# Altium PCB H204_.PcbDoc (part 1 of 4)
Units mm, origin at the board's own origin, x right, y up, seen from the top; angles counter-clockwise.
Board outline 40.7 x 64 mm, 4 copper layers (Top Layer, Signal Layer 1, Signal Layer 2, Bottom Layer), stack 1.594 mm thick; 231 components, 152 nets, 928 pads, 575 vias.
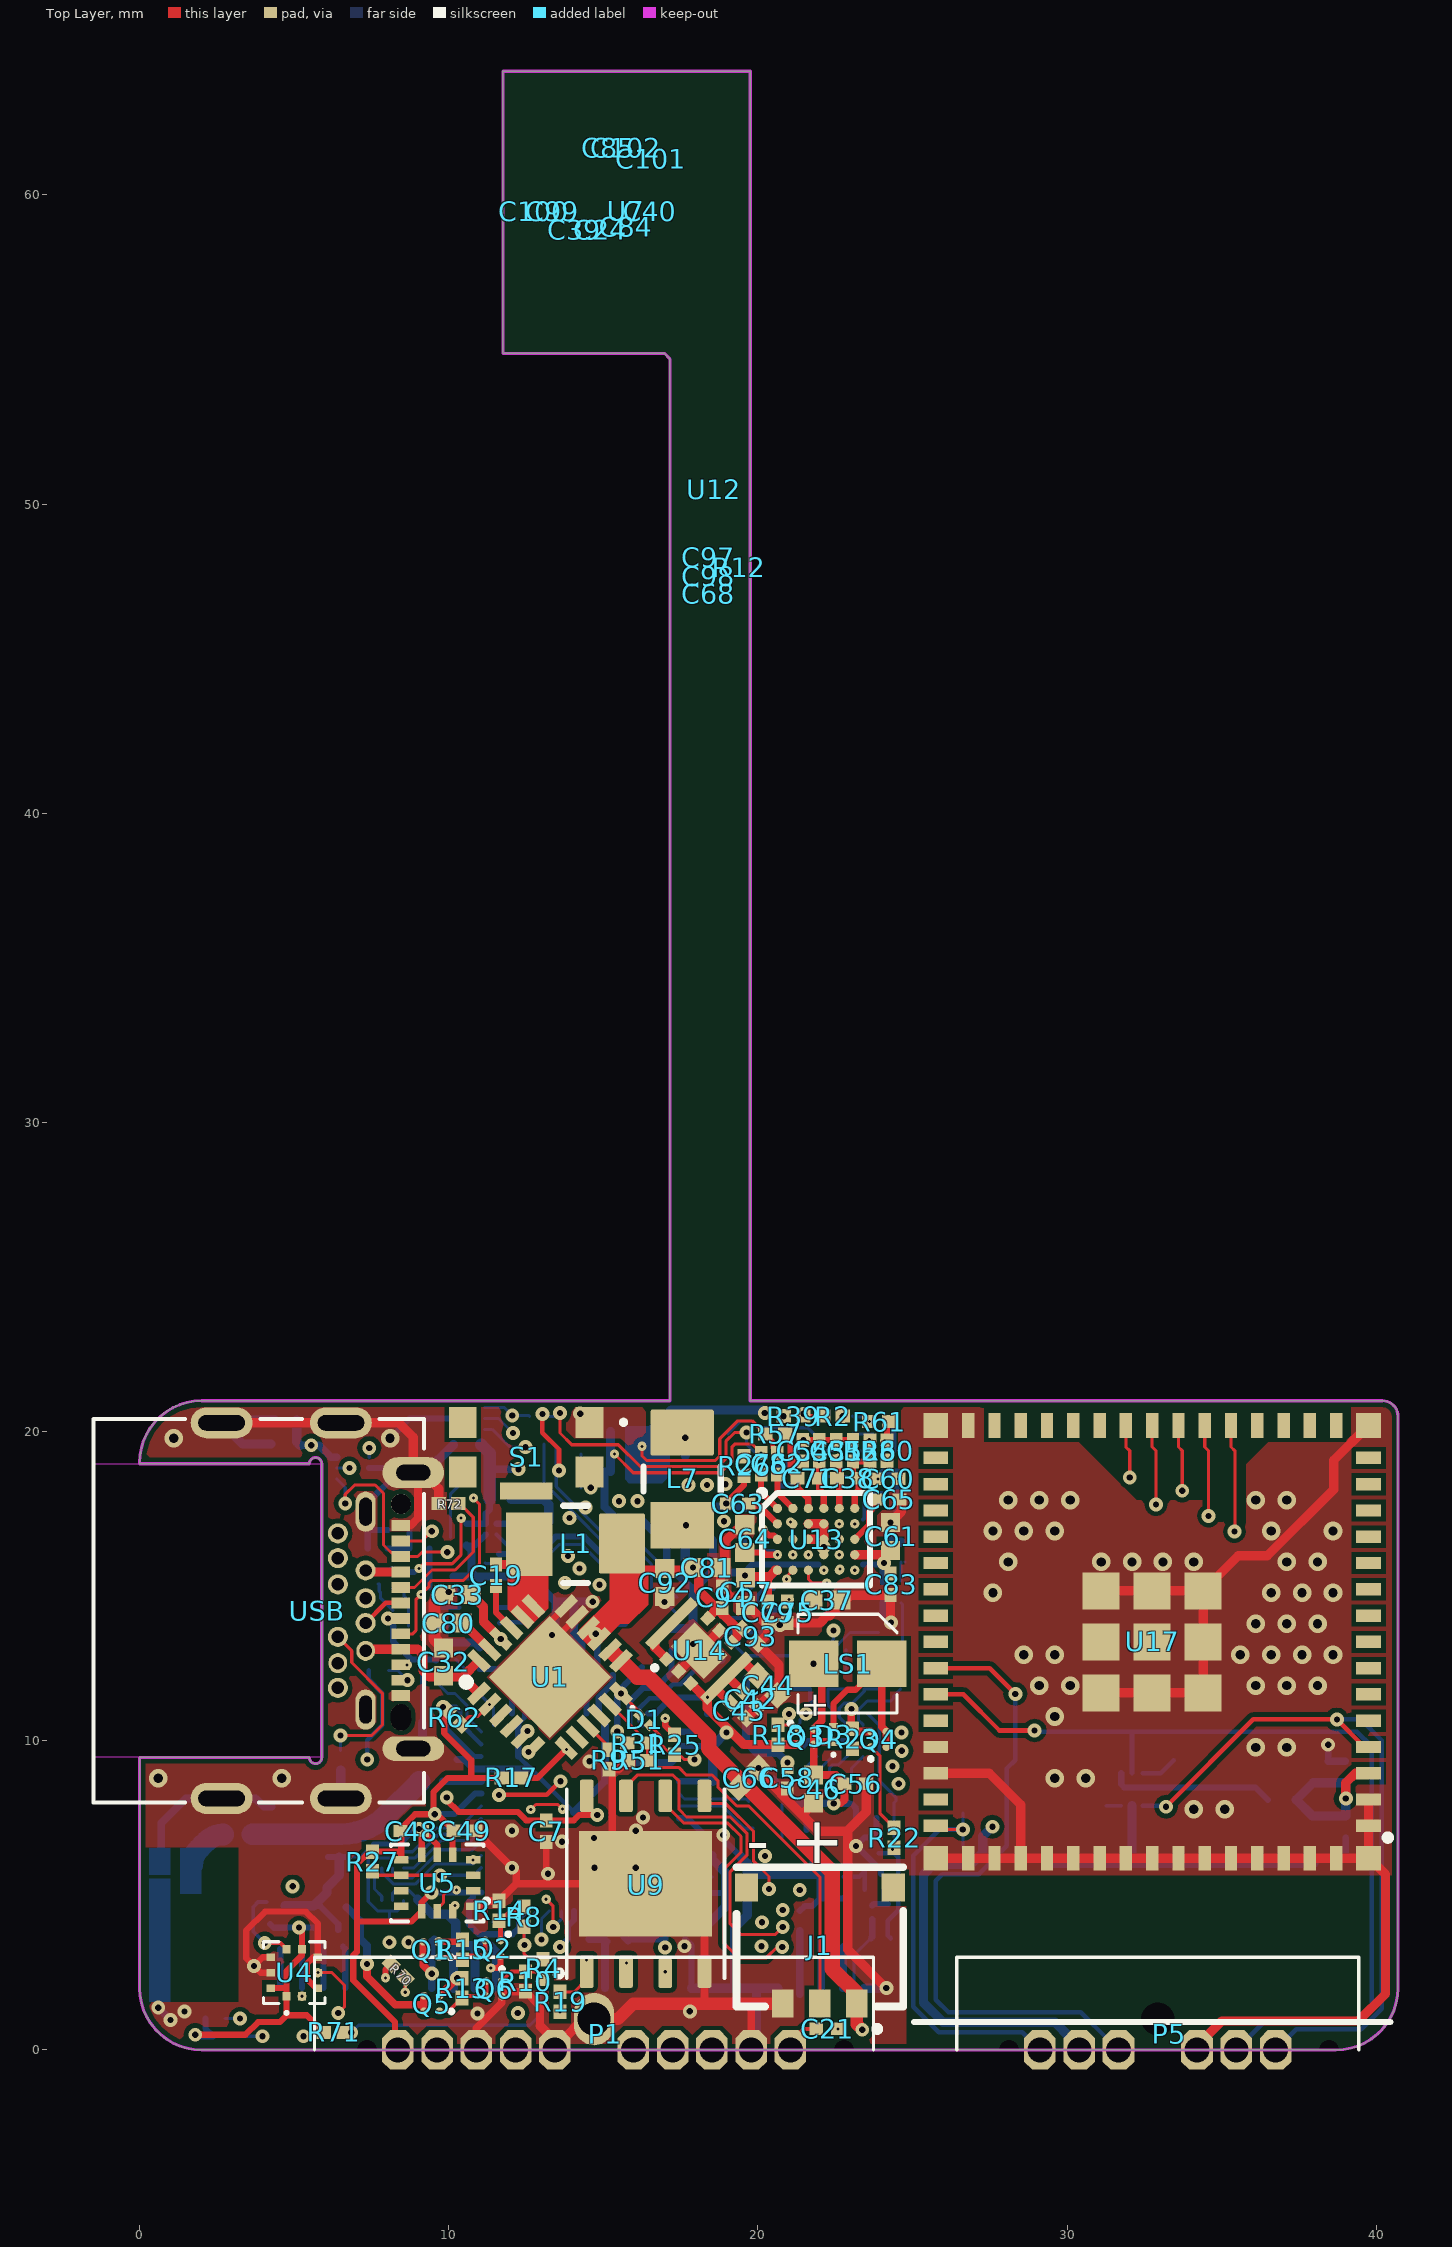
[diagram p0: Top Layer view]
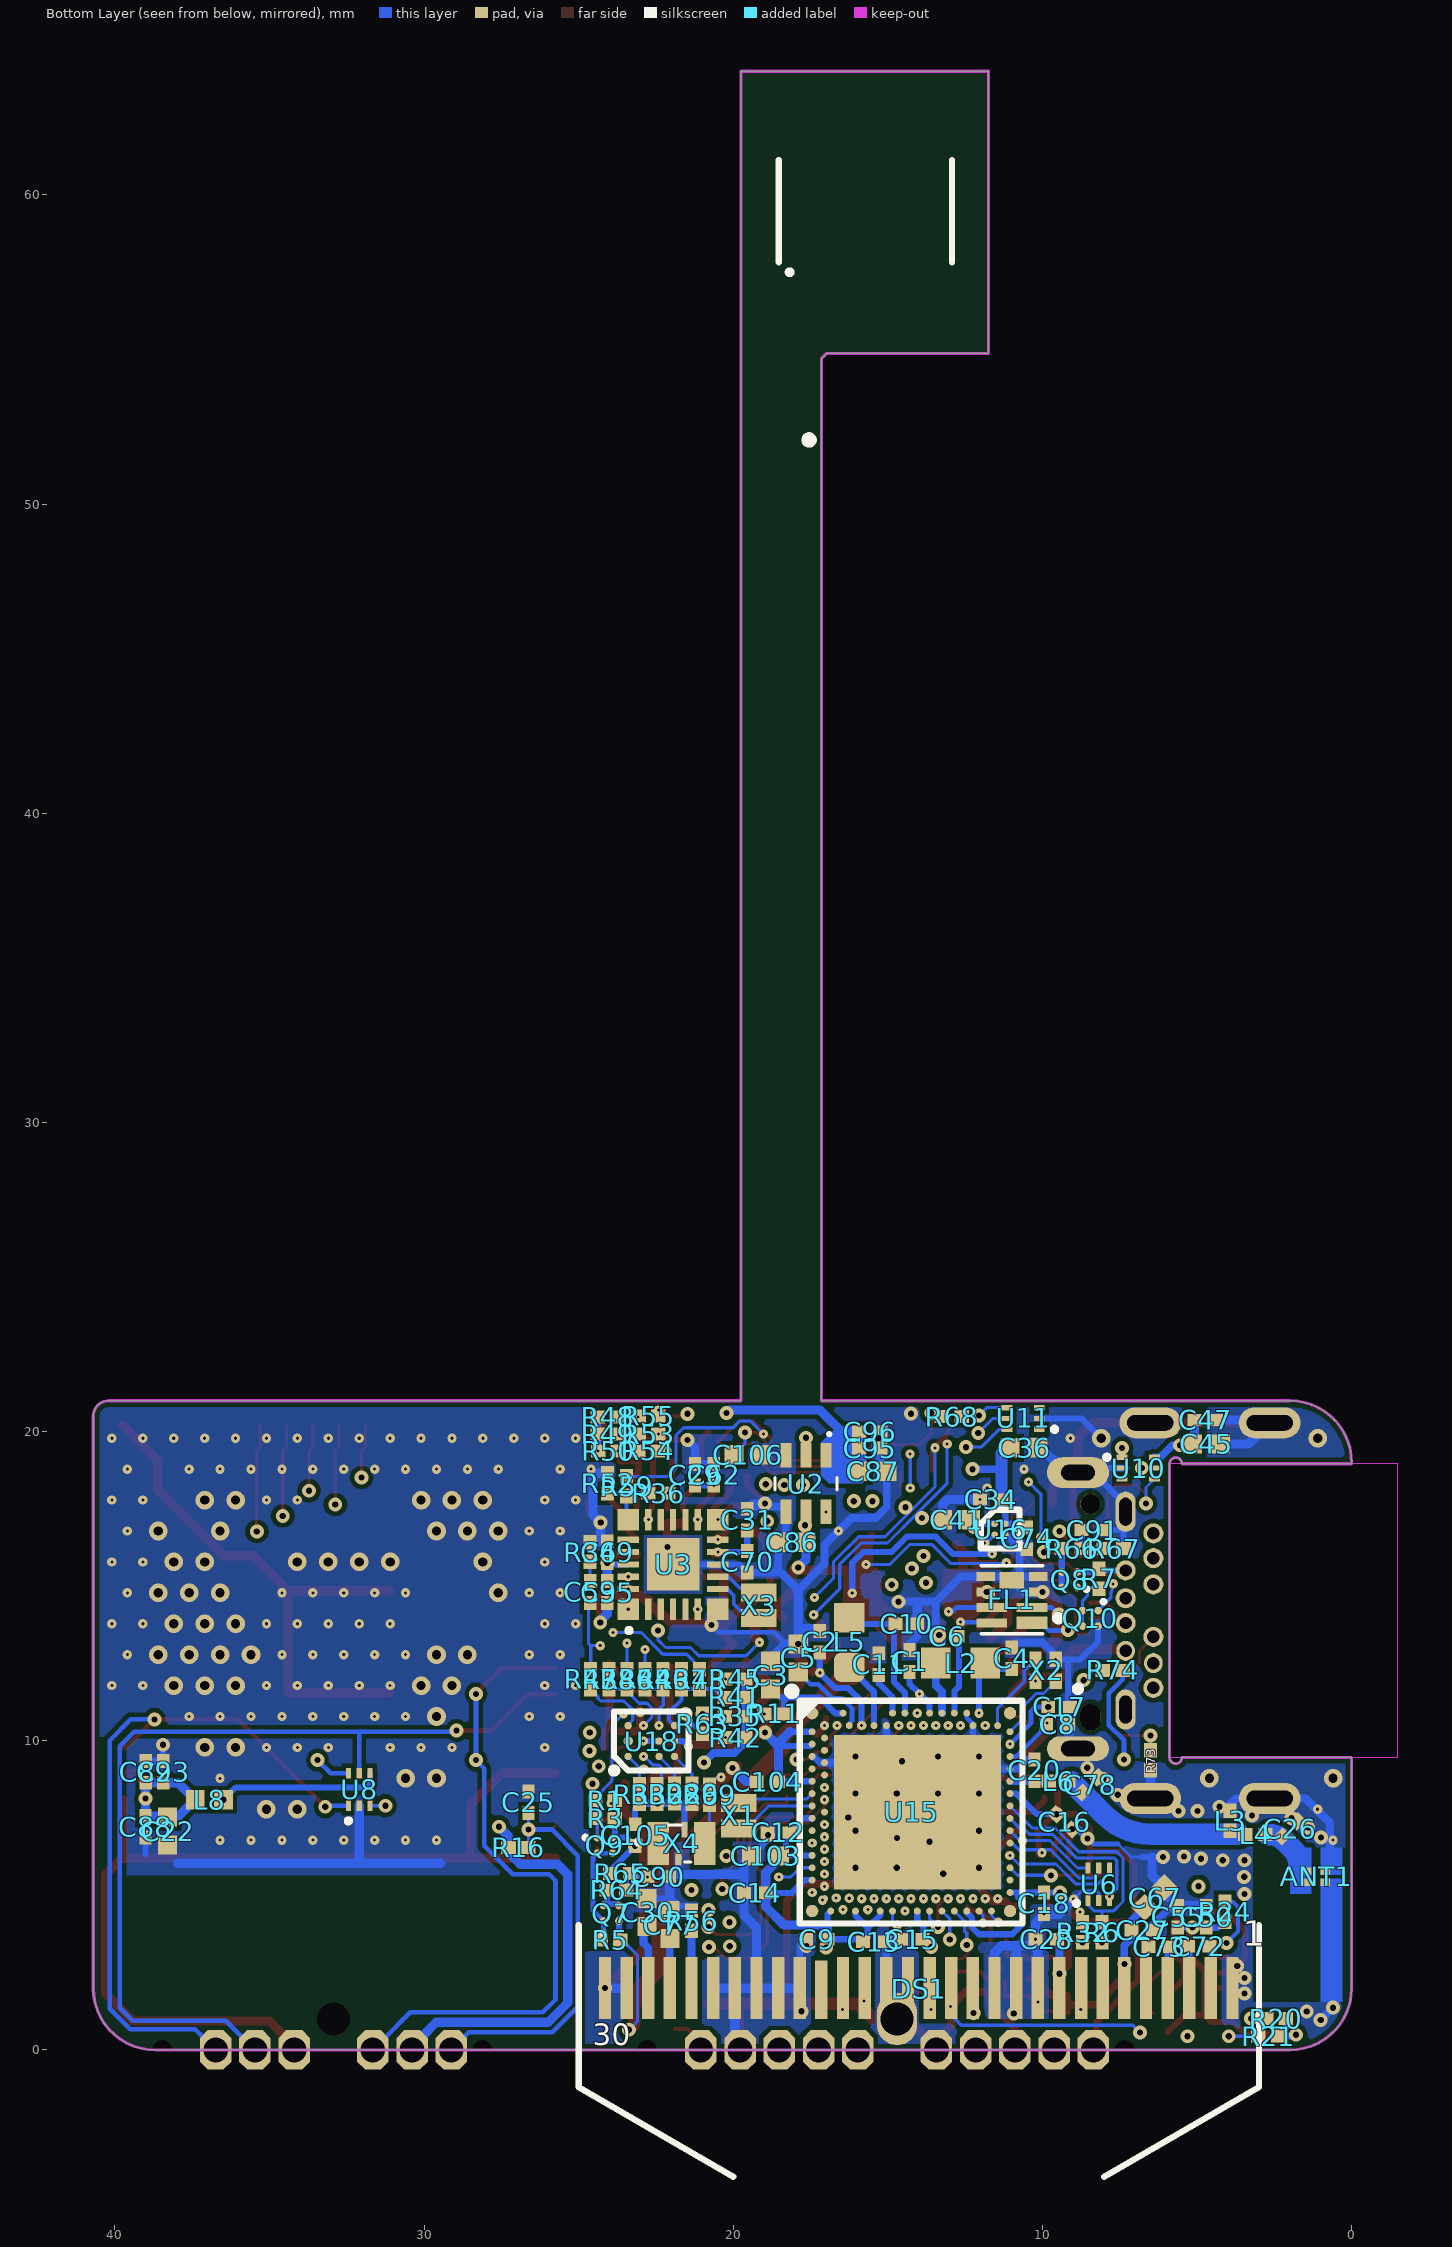
[diagram p1: Bottom Layer view, seen from below]
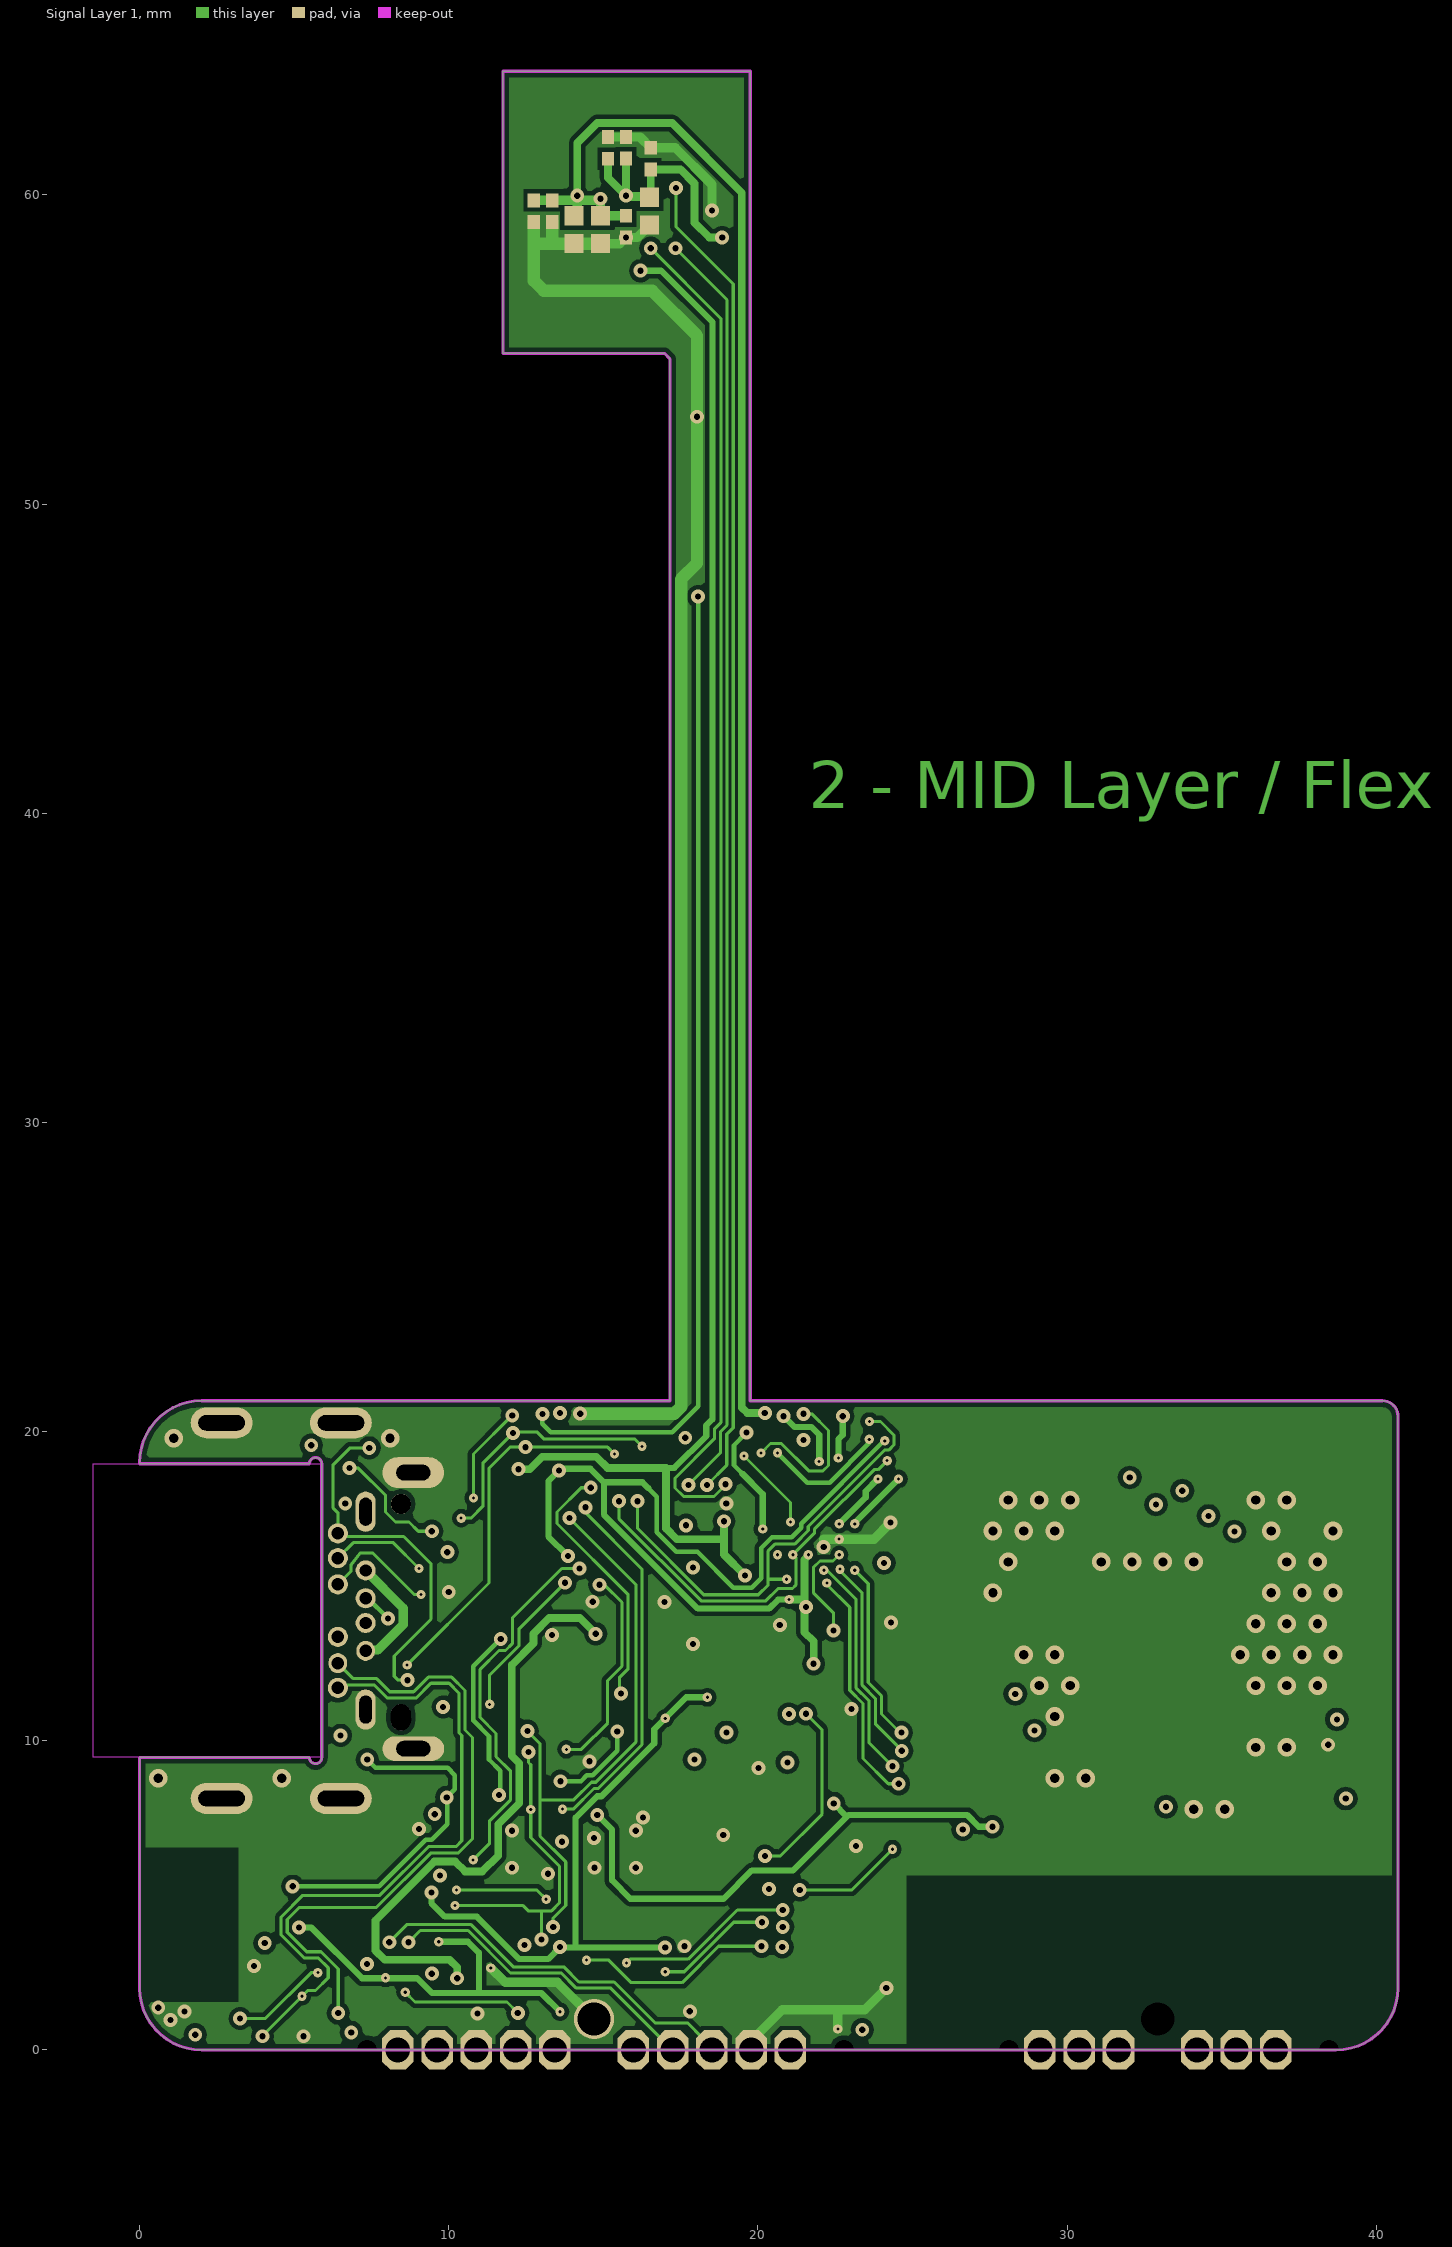
[diagram p2: Signal Layer 1]
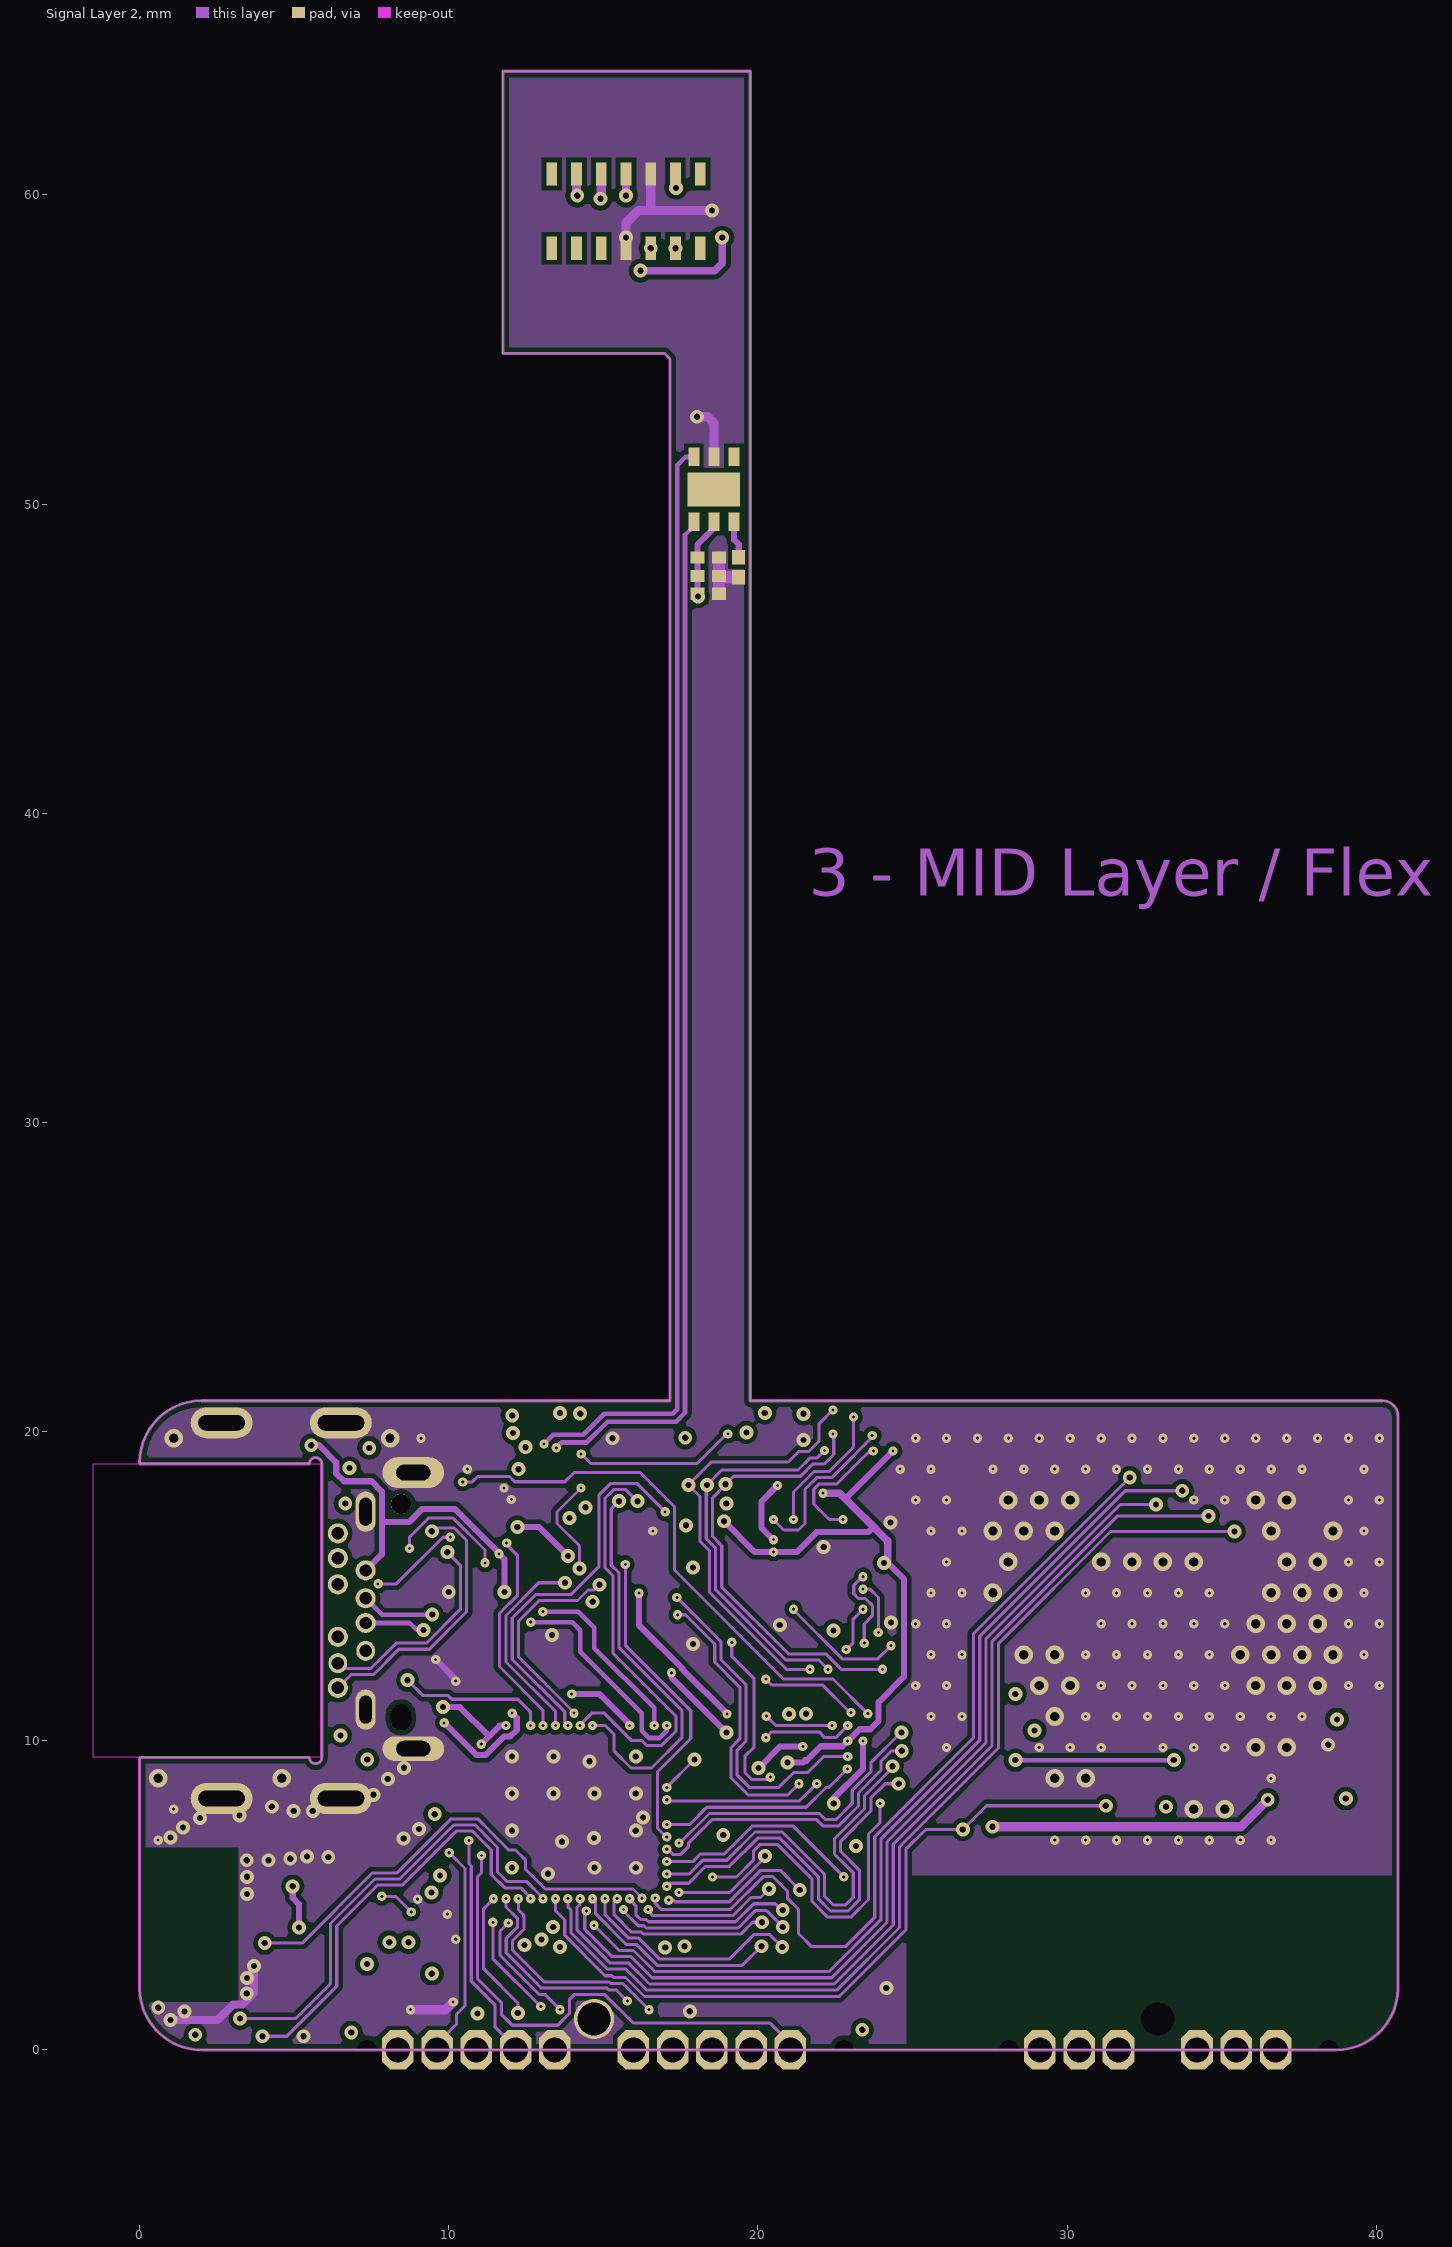
[diagram p3: Signal Layer 2]
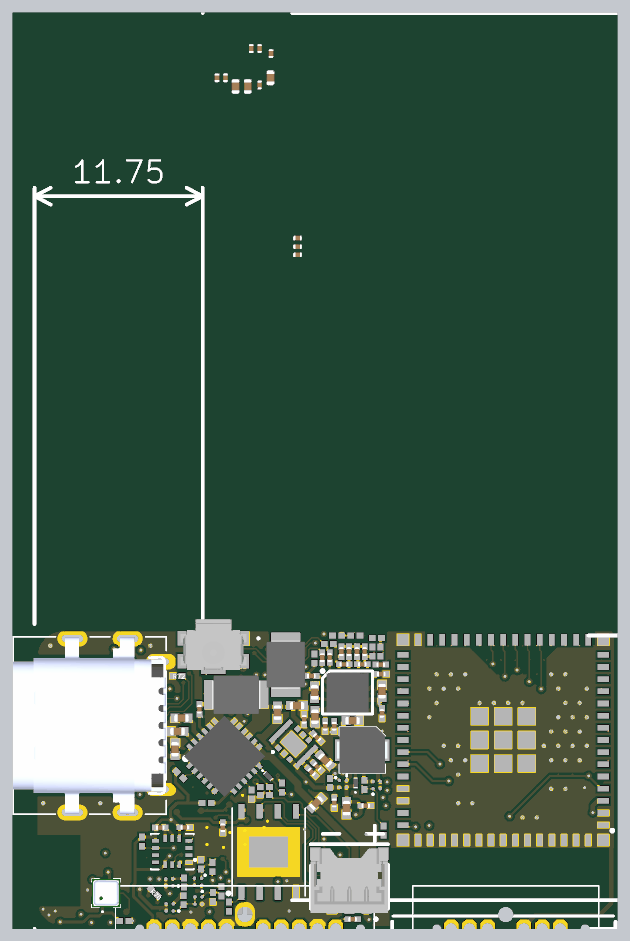
[diagram p7: 3D render of the assembled board from above, using the file's embedded part models]
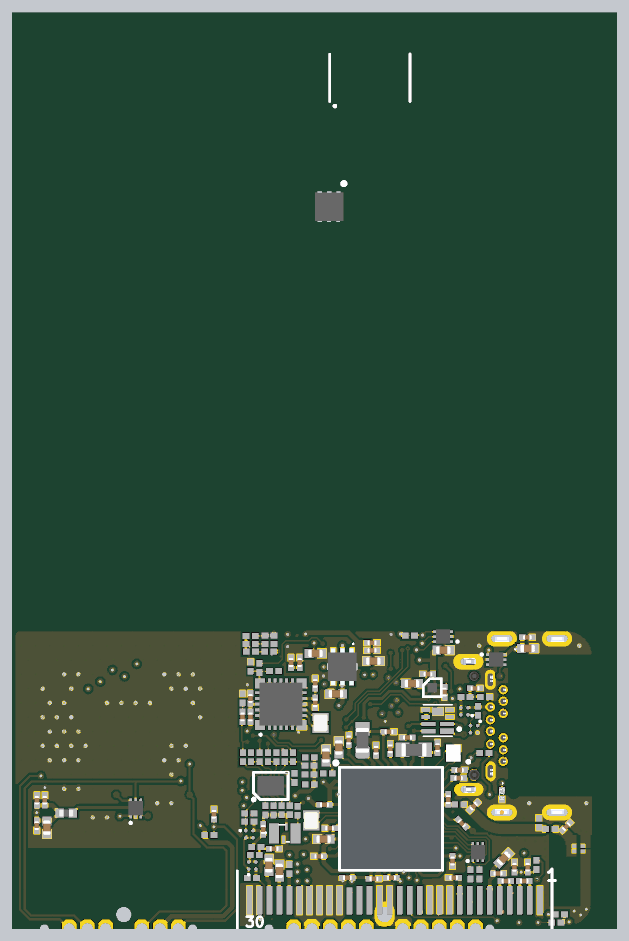
[diagram p8: 3D render of the assembled board from below, using the file's embedded part models]

## Layer stack, top to bottom
Top Solder: solder mask 0.02, Solder Resist, Dk 3.5
Top Layer: signal copper 0.035
FR4: core 0.68, Dk 4.6
Pure gum: core 0.012, Dk 4.6
Coverlay: core 0.0125, Dk 4.6
Adhesive: core 0.015, Dk 4.6
Signal Layer 1: signal copper 0.018
Adhesive: dielectric 0.012, Dk 3.4
Polyimide: dielectric 0.025, Dk 3.4
Adhesive: dielectric 0.012, Dk 3.4
Signal Layer 2: signal copper 0.018
Adhesive: core 0.015, Dk 4.6
Coverlay: core 0.012, Dk 4.6
Pure gum: core 0.012, Dk 4.6
FR4: core 0.68, Dk 4.6
Bottom Layer: signal copper 0.035
Bottom Solder: solder mask 0.02, Solder Resist, Dk 3.5

## Board outline
0,2 ccw(c2,2) 2,0 38.7,0 ccw(c38.7,2) 40.7,2 40.7,20.5 ccw(c40.2,20.5) 40.2,21 19.75,21 19.75,64 11.75,64 11.75,54.876 16.974,54.876 17.15,54.7 17.15,21 2,21 ccw(c2,19) 0,19 0,18.96 5.49,18.96 cw(c5.69,18.96) 5.89,18.96 5.89,9.46 cw(c5.69,9.46) 5.49,9.46 0,9.46
cut-out: 5.89,9.46 -1.5,9.46 -1.5,18.96 5.89,18.96
board region "Layer Stack Region 1": 17.15,21 17.15,54.7 16.974,54.876 11.75,54.876 11.75,64 19.75,64 19.75,21
board region "Layer Stack Region 1": 40.299,21 40.483,20.924 40.624,20.783 40.7,20.599 40.7,20.5 40.7,2 40.7,1.803 40.623,1.417 40.472,1.053 40.254,0.725 39.975,0.446 39.647,0.228 39.283,0.077 38.897,0 38.7,0 2,0 1.803,0 1.417,0.077 1.053,0.228 0.725,0.446 0.446,0.725 0.228,1.053 0.077,1.417 0,1.803 0,2 0,9.46 5.49,9.46 5.494,9.421 5.524,9.349 5.579,9.294 5.651,9.264 5.729,9.264 5.801,9.294 5.856,9.349 5.886,9.421 5.89,9.46 5.89,18.96 5.886,18.999 5.856,19.071 5.801,19.126 5.729,19.156 5.651,19.156 5.579,19.126 5.524,19.071 5.494,18.999 5.49,18.96 0,18.96 0,19 0,19.197 0.077,19.583 0.228,19.947 0.446,20.275 0.725,20.554 1.053,20.772 1.417,20.923 1.803,21

## Design rules (kind name [scope] priority, off if disabled: settings)
Clearance Clearance_Keep [IsPad vs OnLayer('Keep-Out Layer')] p1: gap=0 ignorepadtopadclearanceinfootprint=FALSE
Clearance [All] p2: gap=0.1 ignorepadtopadclearanceinfootprint=FALSE except(0.15: Arc-Poly Track-Poly SMDPad-Poly THPad-Poly Via-Poly Fill-Poly Poly-Poly Poly-Region)
ComponentClearance [All] p1 off: gap=0.254 collisioncheckmode=3 verticalgap=0.254 showdistances=FALSE
DiffPairsRouting [All] p1: maxlimit=0.254 minlimit=0.254 mostfreqgap=0.254 toplayer_minwidth=0.15 toplayer_maxwidth=0.381 toplayer_prefwidth=0.381 midlayer1_minwidth=0.15 midlayer1_maxwidth=0.381 midlayer1_prefwidth=0.381 midlayer2_minwidth=0.15 midlayer2_maxwidth=0.381 midlayer2_prefwidth=0.381 bottomlayer_minwidth=0.15 bottomlayer_maxwidth=0.381 bottomlayer_prefwidth=0.381 maxuncoupledlength=12.7
Height [All] p1 off: minheight=0 maxheight=25.4 prefheight=12.7
HoleSize [All] p1: absolutevalues=TRUE maxlimit=5 minlimit=0.1 maxpercent=80.000 minpercent=20.000
HoleToHoleClearance [All] p1 off: gap=0.254 allowstackedmicrovias=TRUE
MinimumSolderMaskSliver [All] p1 off: minsoldermaskwidth=0.051
PasteMaskExpansion [All] p1 off: expansion=0
PlaneClearance [All] p1: clearance=0.3
PlaneConnect [All] p1: planeconnectstyle=Direct reliefexpansion=0.5 reliefentries=4 reliefconductorwidth=0.5 reliefairgap=0.5
PolygonConnect [All] p1: connectstyle=Direct reliefconductorwidth=0.4 reliefentries=4 polygonreliefangle="90 Angle" airgapwidth=0.3
RoutingVias [All] p1: holewidth=0.5 width=1 viastyle="Through Hole" minholewidth=0.1 minwidth=0.3 maxholewidth=0.5 maxwidth=1
SilkToBoardRegionClearance [All] p1 off:
SilkToSilkClearance [All] p1 off: silktosilkclearance=0.254
SilkToSolderMaskClearance SilkToViaClearance [IsVia] p1 off: minsilkscreentomaskgap=0.05 clearancetoexposedcopper=TRUE
SilkToSolderMaskClearance SilkscreenOverComponentPads [IsPad] p2 off: minsilkscreentomaskgap=0.051 clearancetoexposedcopper=TRUE
SolderMaskExpansion [All] p1: expansion=0.05
Width [All] p1: maxlimit=1.2 minlimit=0.1 preferedwidth=0.254
18 further rules are at their usual default settings.

## Classes and differential pairs
component class H204_R_Power: C19 C32 C33 C34 C36 C41 C42 C43 C44 C45 C46 C47 C66 C74 C80 C81 C86 C87 C92 C93 C94 C95 C96 FL1 IC1 J1 L1 L7 Q3 R9 R17 R18 R20 R21 R31 R51 R62 R63 R72 R73 R74 U1 U2 U10 U14 U16 USB
component class H204_R_MCUs: ANT1 C1 C2 C3 C4 C5 C6 C7 C8 C9 C10 C11 C12 C13 C14 C15 C16 C17 C18 C20 C21 C22 C23 C25 C26 C27 C28 C30 C67 C72 C73 C77 C78 C88 C89 C90 C91 C103 C104 D1 DS1 L2 L3 L4 L5 L6 L8 P1 P5 Q1 Q2 Q5 Q6 Q7 Q8 Q9 Q10 R1 R3 R4 R5 R6 R7 R8 R10 R11 R13 R14 R15 R16 R19 R25 R32 R56 R64 R65 R66 R67 R70 R71 S1 U6 U8 U9 U15 U17 X1 X2
component class H204_R_Sensors: C24 C29 C31 C35 C37 C38 C39 C40 C48 C49 C50 C51 C52 C53 C54 C55 C56 C57 C58 C59 C60 C61 C62 C63 C64 C65 C68 C69 C70 C71 C75 C76 C79 C82 C83 C84 C85 C97 C98 C99 C100 C101 C102 C105 C106 D3 LS1 Q4 R2 R12 R22 R23 R24 R26 R27 R28 R29 R30 R33 R34 R35 R36 R37 R38 R39 R40 R41 R42 R43 R44 R45 R46 R47 R48 R49 R50 R52 R53 R54 R55 R57 R58 R59 R60 R61 R68 R69 U3 U4 U5 U7 U11 U12 U13 U18 U? X3 X4
differential pair D: +D_P -D_N
differential pair USB: +USB_P -USB_N
